# KiCad board Omega-D.kicad_pcb (continued)
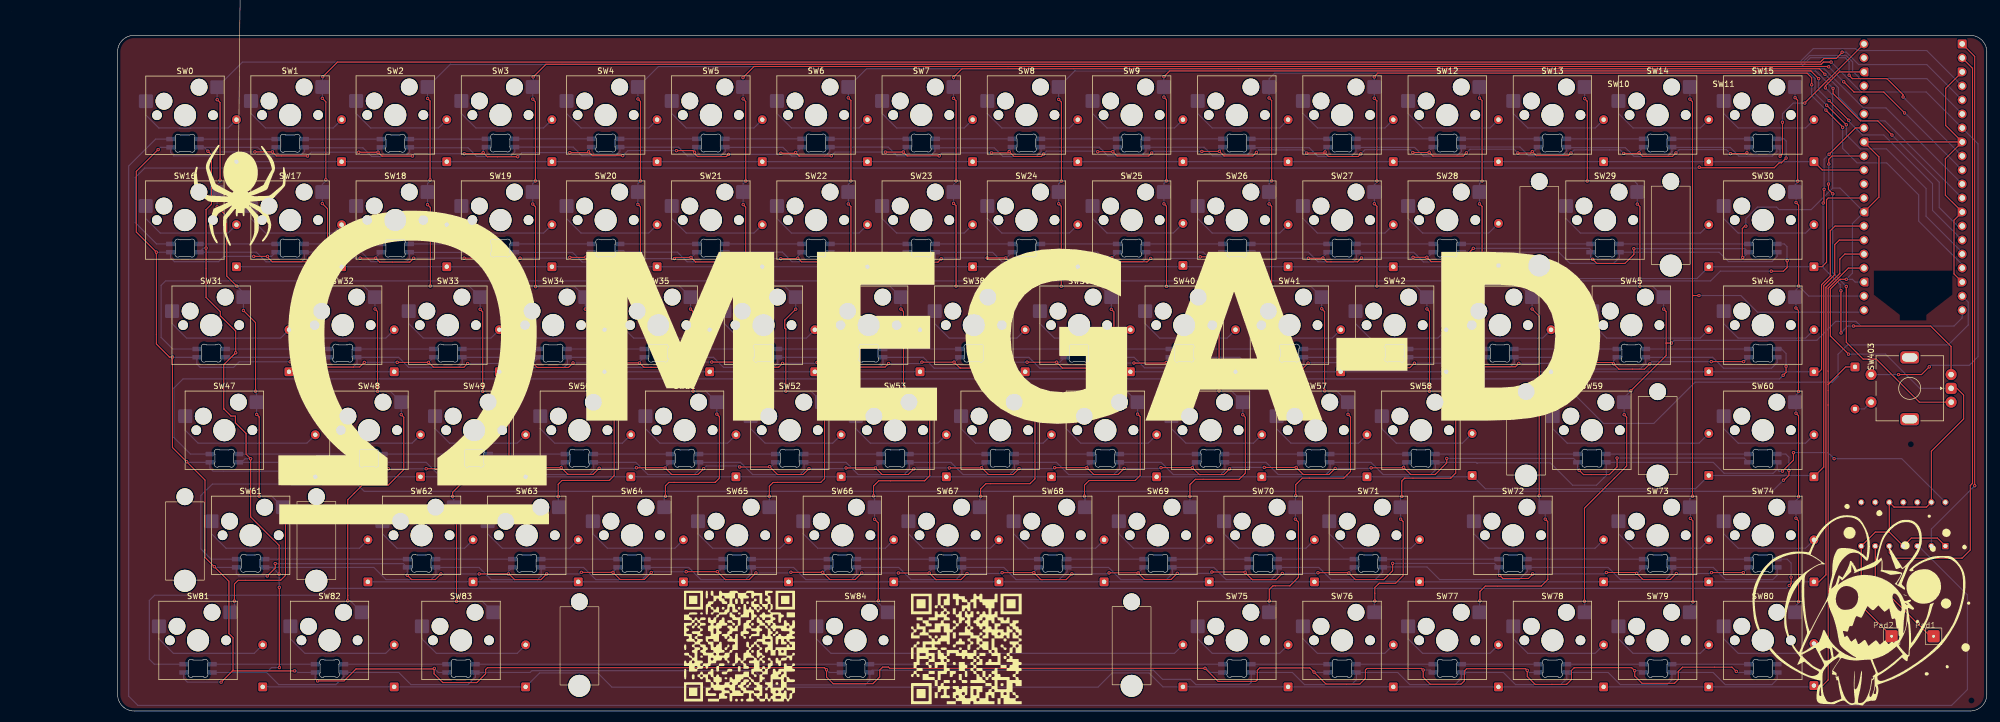
[diagram p0: board, top side]
## Routing (per net, layer and track width the routed paths; a pad name or vN(x,y) marks a point on that pad's centre or on a via; arc(x,y) is an arc through that point) (continued)
1Y: length 470.5
  Bottom w0.2: U1.3 345.42,29.9 354.27,21.05 354.27,3.87 351.41,1.01 22.97,1.01 21.3,2.68 21.3,98.81 26.18,103.69 LED1.3
2Y: length 21.1
  Top w0.2: U1.6 337.59,23.51 347.55,13.55 Pad1.1
Column0: length 432.9
  Top w0.2: v1(49.22,34.76) 49.69,34.28 49.69,24.57 48.82,23.7 41.13,23.7 40.45,23.02 v1(40.45,19.92) ; v1(40.89,77.03) 39.07,78.85 39.07,89.67 v1(37.32,91.42) ; v1(42.08,72.61) 44.28,70.41 v1(44.28,57.98) ; v1(37.85,96.25) 37.85,110.32 v1(37.33,110.84) ; v1(44.49,53.77) 44.94,53.32 v1(44.94,38.94)
  Bottom w0.2: v1(44.94,38.94) 47.23,38.94 SW61.2 49.23,34.77 v1(49.22,34.76) ; v1(40.89,77.03) 42.08,75.83 SW31.2 42.08,72.61 v1(42.08,72.61) ; v1(44.28,57.98) 44.28,57.72 44.46,57.53 SW47.2 44.46,53.79 v1(44.49,53.77) ; v1(37.32,91.42) 37.32,91.42 SW16.2 37.32,95.4 37.85,95.93 v1(37.85,96.25) ; A2.4 346.91,119.75 334.37,119.75 334.02,120.1 326.36,120.1 323.92,117.65 164.75,117.65 164.75,117.65 89.8,117.65 89.8,117.65 61.05,117.65 61.05,117.65 41.89,117.65 SW0.2 ; v1(37.33,110.84) 37.32,110.84 37.32,113.14 37.32,112.7 ; v1(40.45,19.92) 40.45,18.63 SW81.2
Column1: length 419.6
  Top w0.2: v1(56.38,92) 57.31,91.07 v1(57.31,77.1) ; v1(60.98,19.97) 60.98,38.31 63.63,40.96 68.31,40.96 71.12,43.77 71.12,53.26 v1(70.66,53.73) ; v1(65.91,72.89) 66.37,72.43 v1(66.37,57.96) ; v1(56.45,115) 59.1,117.65 327.63,117.65 328.28,118.3 330.5,118.3 331.6,119.4 v1(331.6,119.45) ; v1(56.38,111.09) 57.01,110.46 v1(57.01,96.32)
  Bottom w0.2: v1(65.91,72.89) 65.9,72.9 SW32.2 63.84,77.1 v1(57.31,77.1) ; A2.5 346.92,117.2 334.6,117.2 332.35,119.45 v1(331.6,119.45) ; v1(70.66,53.73) 70.66,53.73 SW48.2 68.69,57.96 v1(66.37,57.96) ; v1(56.38,111.09) 56.37,111.09 SW1.2 56.45,113.22 v1(56.45,115) ; v1(56.38,92) 56.37,92 SW17.2 56.37,95.48 57.01,96.12 v1(57.01,96.32) ; v1(60.98,19.97) 61.44,19.97 SW82.2
Column2: length 406.2
  Top w0.2: v1(80.67,19.86) 80.67,34.25 v1(80.19,34.73) ; v1(89.71,53.78) 90.17,53.31 90.17,44.48 87.11,41.42 86.97,41.56 81.88,41.56 79.96,39.64 v1(79.96,38.92) ; v1(85.42,57.95) 85.42,72.36 v1(84.95,72.83) ; v1(75.42,91.81) 75.93,91.3 v1(75.93,77.05) ; v1(75.89,96.3) 75.89,110.6 v1(75.43,111.06)
  Bottom w0.2: v1(80.67,19.86) 85.36,19.86 SW83.2 ; A2.6 346.93,114.65 334.85,114.65 333.5,116 333.5,117.66 332.31,118.85 326.7,118.85 326.69,118.85 325.68,118.85 324.08,117.25 178.5,117.25 178.5,117.25 99.75,117.25 99.75,117.25 79.53,117.25 SW2.2 75.42,111.06 v1(75.43,111.06) ; v1(75.89,96.3) 75.89,96.1 75.42,95.63 SW18.2 75.42,91.81 v1(75.42,91.81) ; v1(84.95,72.83) 84.95,72.83 SW33.2 82.94,77.05 v1(75.93,77.05) ; v1(89.71,53.78) 89.71,53.78 SW49.2 87.75,57.95 v1(85.42,57.95) ; v1(79.96,38.92) 79.96,38.58 80.18,38.35 SW62.2 80.18,34.73 v1(80.19,34.73)
Column3: length 427.6
  Top w0.2: v1(94.48,110.94) 94.96,110.46 v1(94.96,96.1) ; v1(347.37,62.4) 345.97,61 v1(341.8,61) ; v1(94.99,76.93) 94.99,91.4 v1(94.47,91.92) ; v1(104.46,58.02) 104.46,58.02 104.46,72.41 v1(104,72.87) ; v1(94.55,114.95) 96.85,117.25 327.8,117.25 328.2,117.65 v1(329.6,117.65) ; v1(108.76,53.83) 109.22,53.36 109.22,42.68 108.34,41.8 99.78,41.8 99.08,41.1 v1(99.08,38.86)
  Bottom w0.2: v1(94.96,96.1) 94.47,95.61 SW19.2 94.47,91.92 v1(94.47,91.92) ; v1(94.99,76.93) 102.11,76.93 SW34.2 104,72.87 v1(104,72.87) ; v1(99.08,38.86) 99.08,37.09 SW63.2 ; v1(347.37,62.4) 347.65,62.67 354.62,62.67 356.21,64.26 356.21,102.83 A2.7 346.81,112.23 335.05,112.23 329.63,117.65 v1(329.6,117.65) ; v1(94.55,114.95) 94.55,113.22 SW3.2 94.47,110.94 v1(94.48,110.94) ; SW403.S1 v1(341.8,61) ; v1(108.76,53.83) 108.76,53.83 SW50.2 106.73,58.02 v1(104.46,58.02)
Column4: length 348.3
  Top w0.2: v1(113.53,110.97) 114,110.5 v1(114,96.11) ; v1(123.51,57.98) 123.51,57.98 123.51,72.42 v1(123.05,72.88) ; v1(332.86,115.27) 332.86,115.24 333.45,114.65 339.71,114.65 342.63,111.73 v1(342.63,111.32) ; v1(113.99,77.06) 113.99,91.38 v1(113.52,91.85) ; v1(118.51,38.94) 118.5,38.95 118.5,40.82 119.13,41.45 127.51,41.45 128.27,42.21 128.27,53.36 v1(127.81,53.83)
  Bottom w0.2: SW64.2 118.28,38.71 v1(118.51,38.94) ; v1(123.05,72.88) 123.05,72.88 SW35.2 121.03,77.06 v1(113.99,77.06) ; v1(127.81,53.83) 127.81,53.83 SW51.2 125.82,57.98 v1(123.51,57.98) ; v1(332.86,115.27) 332.85,115.28 332.85,117.75 332.15,118.45 325.85,118.45 324.25,116.85 204.1,116.85 204.1,116.85 180.55,116.85 180.55,116.85 134.75,116.85 134.75,116.85 117.23,116.85 SW4.2 113.52,110.97 v1(113.53,110.97) ; v1(342.63,111.32) 342.98,110.97 342.99,110.97 A2.9 ; v1(114,96.11) 113.52,95.63 SW20.2 113.52,91.85 v1(113.52,91.85)
Column5: length 331.5
  Top w0.2: v1(146.86,53.84) 147.32,53.37 147.32,42.14 146.63,41.45 138.75,41.45 138.74,41.44 138,41.44 137.32,40.76 v1(137.32,38.93) ; v1(142.1,72.86) 140.11,70.87 140.11,69.45 140.31,69.25 v1(140.31,57.99) ; v1(331.88,114.08) 331.89,114.08 333.74,112.23 339.12,112.23 342.9,108.45 v1(342.9,108.43) ; v1(132.55,114.85) 134.55,116.85 329.11,116.85 v1(329.17,116.79) ; v1(132.57,110.99) 133.05,110.51 v1(133.05,96.1) ; v1(133.04,77.03) 133.04,91.36 v1(132.58,91.82)
  Bottom w0.2: v1(133.05,96.1) 132.57,95.62 SW21.2 132.57,91.82 v1(132.58,91.82) ; v1(331.88,114.08) v1(329.17,116.79) ; v1(133.04,77.03) 140.11,77.03 SW36.2 142.1,72.86 v1(142.1,72.86) ; v1(132.57,110.99) 132.57,110.99 SW5.2 132.55,113.16 v1(132.55,114.85) ; v1(342.9,108.43) 342.99,108.43 A2.10 ; SW65.2 137.32,36.95 v1(137.32,38.93) ; v1(140.31,57.99) 144.86,57.99 SW52.2 146.86,53.84 v1(146.86,53.84)
Column6: length 329.2
  Top w0.2: v1(161.62,58) 161.62,72.41 v1(161.15,72.88) ; v1(157.05,19.96) 157.05,34.1 v1(156.38,34.77) ; v1(165.92,53.81) 166.37,53.35 166.37,42.66 165.45,41.74 157.15,41.74 156.19,40.78 v1(156.19,38.99) ; v1(151.62,91.94) 152.09,91.47 v1(152.09,77.02) ; v1(151.62,111.17) 152.09,110.7 v1(152.09,96.11)
  Bottom w0.2: v1(156.19,38.99) 156.19,38.68 156.38,38.48 SW66.2 156.38,34.77 v1(156.38,34.77) ; SW6.2 151.62,113.24 ; SW6.2 151.62,111.17 v1(151.62,111.17) ; SW6.2 154.93,116.45 192.46,116.45 192.46,116.45 222.3,116.45 222.3,116.45 328.33,116.45 335.43,109.35 339.53,109.35 A2.11 ; v1(152.09,96.11) 152.09,95.94 151.62,95.47 SW22.2 151.62,91.94 v1(151.62,91.94) ; v1(161.62,58) 163.9,58 SW53.2 165.92,55.98 v1(165.92,53.81) ; SW84.2 157.05,19.61 v1(157.05,19.96) ; v1(152.09,77.02) 159.17,77.02 SW37.2 161.15,72.88 v1(161.15,72.88)
Column7: length 292.7
  Top w0.2: v1(180.2,72.86) 180.67,72.39 v1(180.67,57.99) ; v1(171.14,96.13) 171.14,110.62 v1(170.67,111.09) ; v1(170.68,92.04) 171.14,91.58 v1(171.14,77.04) ; v1(170.67,114.9) 172.22,116.45 327.47,116.45 v1(328.48,115.44) ; v1(184.97,53.83) 185.42,53.37 185.42,42.1 184.53,41.21 176.54,41.21 175.58,40.25 v1(175.58,38.92)
  Bottom w0.2: v1(175.58,38.92) 175.58,38.57 175.43,38.42 SW67.2 ; v1(171.14,77.04) 178.2,77.04 SW38.2 180.2,72.86 v1(180.2,72.86) ; v1(171.14,96.13) 171.14,95.9 170.67,95.43 SW23.2 170.67,92.04 v1(170.68,92.04) ; v1(180.67,57.99) 182.96,57.99 SW54.2 184.96,53.84 v1(184.97,53.83) ; v1(328.48,115.44) 330.93,112.99 330.93,111.31 335.24,107 339.34,107 A2.12 ; v1(170.67,114.9) SW7.2 170.67,111.09 v1(170.67,111.09)
Column8: length 277
  Top w0.2: v1(190.21,96.08) 190.21,110.39 v1(189.72,110.88) ; v1(199.72,58.06) 199.72,72.36 v1(199.25,72.83) ; v1(204.01,53.83) 204.47,53.36 204.47,42.69 203.57,41.79 195.24,41.79 194.39,40.94 v1(194.39,38.96) ; v1(340.62,104.43) 338.05,107 334.9,107 329.95,111.95 v1(329.95,112.89) ; v1(189.73,91.97) 190.19,91.51 v1(190.19,77.01)
  Bottom w0.2: A2.14 352.53,87.93 349.18,91.28 349.18,95.87 v1(340.62,104.43) ; v1(199.25,72.83) 199.25,72.83 SW39.2 197.28,77.01 v1(190.19,77.01) ; v1(194.39,38.96) 194.39,38.63 194.48,38.53 SW68.2 ; v1(329.95,112.89) 329.95,112.89 326.79,116.05 228.68,116.05 228.68,116.05 192.63,116.05 SW8.2 189.72,110.88 v1(189.72,110.88) ; v1(190.21,96.08) 189.72,95.59 SW24.2 189.72,91.97 v1(189.73,91.97) ; v1(199.72,58.06) 201.94,58.06 204.01,55.99 204.01,53.83 v1(204.01,53.83)
Column9: length 261
  Top w0.2: v1(213.48,38.9) 213.48,41.02 214.47,42.01 222.41,42.01 223.52,43.12 223.52,53.24 v1(223.05,53.72) ; v1(208.77,111.3) 209.24,110.83 v1(209.24,96.11) ; v1(218.76,58.02) 218.76,58.02 218.76,72.38 v1(218.3,72.84) ; v1(208.78,91.96) 209.24,91.5 v1(209.24,76.99) ; 327.35,114.83 v1(327.35,114.64) 325.94,116.05 209.82,116.05 v1(208.77,115) ; v1(332.8,107.11) 332.79,107.11 v1(329.23,110.67)
  Bottom w0.2: v1(218.3,72.84) 218.3,75.04 SW40.2 216.35,76.99 v1(209.24,76.99) ; v1(327.35,114.64) 327.35,112.55 v1(329.23,110.67) ; v1(218.76,58.02) 221.03,58.02 SW56.2 223.06,53.73 v1(223.05,53.72) ; v1(208.77,115) SW9.2 208.77,111.3 v1(208.77,111.3) ; v1(213.48,38.9) 213.48,36.99 SW69.2 ; v1(208.78,91.96) 208.77,91.96 SW25.2 208.77,95.64 v1(209.24,96.11) ; v1(332.8,107.11) 332.8,106.9 335.26,104.44 339.13,104.44 347.96,95.61 347.96,90.76 A2.15
Column10: length 266.8
  Top w0.2: v1(227.83,91.95) 228.29,91.49 v1(228.29,76.99) ; v1(237.36,72.93) 237.88,72.41 v1(237.88,58.03) ; v1(232.58,34.79) 233.14,34.23 233.14,24.24 231.59,22.69 228.53,22.69 227.86,22.02 v1(227.86,19.94) ; v1(328.79,109.84) 332.35,106.28 v1(332.36,106.28) ; v1(242.11,53.78) 242.57,53.31 242.57,43.43 241.36,42.22 233.83,42.22 232.65,41.04 v1(232.65,39.04) ; v1(227.82,111.15) 228.29,110.68 v1(228.29,96.11)
  Bottom w0.2: v1(227.83,91.95) 227.82,91.95 SW26.2 227.82,95.64 v1(228.29,96.11) ; SW10.2 227.82,111.15 v1(227.82,111.15) ; SW10.2 227.85,113.14 ; SW10.2 227.82,114.62 228.85,115.65 325.72,115.65 326.68,114.69 326.68,111.95 v1(328.79,109.84) ; v1(332.36,106.28) 332.36,104.46 334.9,101.92 339.61,101.92 346.79,94.74 346.79,89.7 353.33,83.16 A2.16 ; v1(232.58,34.79) 232.58,36.93 SW70.2 232.58,38.65 232.65,38.72 v1(232.65,39.04) ; v1(227.86,19.94) 227.82,19.9 SW75.2 ; v1(228.29,76.99) 235.4,76.99 SW41.2 237.35,72.94 v1(237.36,72.93) ; v1(237.88,58.03) 240.07,58.03 SW57.2 242.11,53.78 v1(242.11,53.78)
Column11: length 251
  Top w0.2: v1(261.16,53.72) 261.62,53.25 261.62,43.13 260.7,42.21 252.36,42.21 251.85,41.7 251.85,38.91 v1(251.86,38.9) ; v1(246.88,91.97) 247.35,91.5 v1(247.35,77.05) ; v1(251.64,34.79) 252.1,34.33 252.1,24.53 250.73,23.16 247.74,23.16 246.97,22.39 246.97,19.94 v1(246.98,19.93) ; v1(247.34,96.1) 247.34,110.64 v1(246.87,111.11) ; v1(246.87,114.95) 246.87,115.02 247.5,115.65 325.24,115.65 326.08,114.81 v1(326.08,113.53) ; v1(331.69,105.81) 331.69,105.91 v1(328.65,108.95) ; v1(256.4,72.9) 256.87,72.43 v1(256.87,57.97)
  Bottom w0.2: v1(256.87,57.97) 259.18,57.97 SW58.2 261.16,53.72 v1(261.16,53.72) ; v1(331.69,105.81) 331.69,102 334.31,99.38 339.65,99.38 345.46,93.57 345.46,88.82 353.33,80.95 A2.17 ; v1(328.65,108.95) 328.65,108.99 326.08,111.56 v1(326.08,113.53) ; v1(246.98,19.93) 246.87,19.82 SW76.2 ; v1(247.34,96.1) 247.34,95.86 246.87,95.39 SW27.2 246.87,91.97 v1(246.88,91.97) ; v1(247.35,77.05) 254.39,77.05 SW42.2 256.4,72.9 v1(256.4,72.9) ; v1(246.87,111.11) 246.87,111.11 SW11.2 v1(246.87,114.95) ; v1(251.86,38.9) 251.63,38.67 SW71.2 251.63,34.79 v1(251.64,34.79)
Column12: length 211.4
  Top w0.2: v1(266,19.97) 266,21.68 266.96,22.64 277.09,22.64 278.29,23.84 278.29,34.32 v1(277.83,34.79) ; 276.73,57.54 v1(276.73,39.02) ; 276.73,57.54 276.76,57.57 v1(277.9,57.57) ; 276.73,57.54 276.73,71.61 v1(275.45,72.89) ; v1(266.39,76.99) 266.39,91.48 v1(265.92,91.95) ; v1(265.92,111.13) 266.39,110.66 v1(266.39,96.09)
  Bottom w0.2: v1(275.45,72.89) 275.45,72.89 SW44.2 273.5,76.99 v1(266.39,76.99) ; v1(277.83,34.79) 277.83,34.79 SW72.2 276.73,38.04 v1(276.73,39.02) ; v1(265.92,111.13) 265.92,111.13 SW12.2 ; v1(265.92,91.95) 265.92,91.95 SW28.2 265.92,95.62 v1(266.39,96.09) ; v1(277.9,57.57) 282.94,57.57 288.37,52.13 297.49,52.13 304.97,59.62 329.82,59.62 330.85,60.65 330.85,64.67 332.56,66.38 350.82,66.38 354.43,69.99 354.43,74.13 A2.19 ; SW77.2 265.92,19.6 266,19.68 v1(266,19.97)
Column13: length 171.8
  Top w0.2: v1(285.45,96.09) 285.45,110.55 v1(284.97,111.03) ; v1(294.97,77.01) 294.97,91.44 v1(294.5,91.91) ; v1(293.34,58.06) 299.72,64.44 299.72,66.71 ; v1(284.93,19.9) 284.93,36.77 292.58,44.42 292.58,53.27 v1(292.12,53.73) ; 299.72,66.71 299.72,72.42 v1(299.27,72.88) ; 299.72,66.71 v1(300.69,66.71)
  Bottom w0.2: SW13.2 284.97,111.03 v1(284.97,111.03) ; v1(285.45,96.09) 293.94,96.09 294.5,95.53 SW29.2 294.5,91.91 v1(294.5,91.91) ; v1(292.12,53.73) 292.11,53.73 SW59.2 292.11,56.83 v1(293.34,58.06) ; v1(294.97,77.01) 297.29,77.01 SW45.2 299.26,72.89 v1(299.27,72.88) ; v1(300.69,66.71) 301.19,67.21 327.01,67.21 330.45,70.65 334.1,70.65 334.95,69.8 351.85,69.8 353.33,71.28 A2.20 ; v1(284.93,19.9) 284.93,19.62 284.97,19.57 SW78.2
Column14: length 128.3
  Top w0.2: 304.5,75.34 304.51,75.33 v1(305.67,75.33) ; 304.5,75.34 304.5,110.47 v1(304.02,110.95) ; 304.5,75.34 v1(304.5,38.95) ; v1(304.1,34.92) 304.57,34.45 v1(304.57,19.78)
  Bottom w0.2: 304.11,17.8 304.11,19.09 304.57,19.56 ; SW73.2 304.02,38.47 v1(304.5,38.95) ; v1(305.67,75.33) 313.24,75.33 316.26,72.31 335.17,72.31 A2.21 ; 304.11,36.85 304.11,34.92 ; v1(304.02,110.95) 304.02,110.95 SW14.2
Column15: length 108.9
  Top w0.2: v1(323.72,77.05) 323.72,91.72 v1(323.25,92.19) ; v1(323.54,96.07) 323.54,110.74 v1(323.07,111.21) ; v1(323.7,19.81) 323.7,34.48 v1(323.23,34.95) ; v1(323.7,38.85) 323.7,53.52 v1(323.23,53.99) ; v1(323.69,57.93) 323.69,72.6 v1(323.22,73.07)
  Bottom w0.2: v1(323.72,77.05) 325.54,75.23 A2.22 ; 323.23,17.83 323.23,19.12 323.7,19.59 ; 323.69,57.71 323.22,57.24 323.22,55.95 ; 323.23,36.87 323.23,38.16 323.7,38.63 ; v1(323.54,96.07) 323.54,95.85 323.07,95.38 SW30.2 ; 323.23,36.88 323.23,34.95 ; SW15.2 323.07,111.21 v1(323.07,111.21) ; 323.22,75 323.22,73.07 ; 323.25,94.12 323.25,92.19 ; 323.23,55.92 323.23,53.99 ; 323.25,75.07 323.25,76.36 323.72,76.83
Encoder_A: length 64.7
  Top w0.2: v1(332.34,76.98) 332.34,66.87 335.41,63.8 337.77,63.8 345.57,56 SW403.A ; v1(329.91,93.76) 329.12,94.55 v1(329.12,95.55) ; A2.32 329.77,100.63 329.17,100.03 329.17,99.18 v1(329.18,99.17)
  Bottom w0.2: v1(329.12,95.55) 329.18,95.61 v1(329.18,99.17) ; v1(329.91,93.76) 329.88,93.73 329.88,79.44 v1(332.34,76.98)
Encoder_B: length 69.6
  Top w0.2: v1(328.33,94.58) 328.3,94.55 328.3,92.23 v1(328.17,92.1) ; v1(333.65,69.8) 347.62,69.8 351.33,66.09 SW403.B ; A2.34 334,105.71 v1(329.23,100.93) ; v1(331.38,76.19) 331.38,68.55 v1(331.39,68.54)
  Bottom w0.2: v1(333.65,69.8) 332.6,69.8 331.39,68.59 v1(331.39,68.54) ; v1(331.38,76.19) 331.25,76.32 331.25,77.3 328.15,80.4 328.15,92.08 v1(328.17,92.1) ; v1(328.33,94.58) 328.33,100.04 v1(329.23,100.93)
GPIO0: length 95.3
  Top w0.2: A2.1 355.6,118.68 355.6,40.85 v1(355.61,40.84)
  Bottom w0.2: U1.2 347.75,32.98 v1(355.61,40.84)
GPIO01: length 107.1
  Top w0.2: U1.5 340.13,28.67 341.1,27.7 353.3,27.7 354.8,29.2 354.8,40.88 355.2,41.28 355.2,116.54 A2.2
Row0: length 295.4
  Top w0.2: D43.1 327.99,98.09 A2.31
  Bottom w0.2: D43.1 D4.1 D3.1 D2.1 D1.1
Row1: length 308.5
  Top w0.2: D30.1 327.95,80.55 328.77,81.37 328.77,92.71 329.07,93.01 A2.29
  Bottom w0.2: D16.1 269.11,80.55 D28.1 271.73,78.41 305.3,78.41 D29.1 D30.1
Row2: length 309.9
  Top w0.2: A2.27 330.31,87.93 329.44,87.06 329.44,78.87 327.86,77.29 327.86,61.94 327.42,61.5 D46.1
  Bottom w0.2: D31.1 D46.1
Row3: length 322.9
  Top w0.2: A2.26 331.08,85.39 330.26,84.57 330.26,79.11 328.26,77.11 328.26,44.23 D60.1
  Bottom w0.2: D47.1 264.35,42.46 D58.1 266.99,40.3 305.04,40.3 D59.1 326.25,42.7 D60.1
Row4: length 327.6
  Top w0.2: D75.1 327.39,23.41 328.66,24.68 328.66,76.83 331.18,79.35 331.18,81.95 332.08,82.85 A2.25
  Bottom w0.2: D61.1 D75.1
Row5: length 373.5
  Top w0.2: D81.1 328.05,4.61 329.06,5.62 329.06,59.2 ; A2.24 332.71,80.31 329.06,76.66 329.06,59.2 ; D70.1 332.25,62.38 329.06,59.2
  Bottom w0.2: D82.1 D84.1 95.72,6.9 106.24,6.9 108.82,4.32 196.83,4.32 199.41,6.9 206.08,6.9 208.61,4.37 D85.1 326.25,4.37 D81.1
Net-(D1-A): length 20.6
  Bottom w0.2: D1.2 39.31,105.71 32.52,105.71 32.48,105.67 30.53,105.67 30.49,105.71 26.76,105.71 24.39,108.07 24.39,110.6
Net-(D2-A): length 20.4
  Bottom w0.2: SW1.1 43.44,108.33 46.07,105.71 58.36,105.71 D2.2
Net-(D3-A): length 20.4
  Bottom w0.2: SW2.1 62.49,108.33 65.12,105.71 77.4,105.71 D3.2
Net-(D4-A): length 20.4
  Bottom w0.2: SW3.1 81.54,108.33 84.17,105.71 96.44,105.71 D4.2
Net-(D5-A): length 20.4
  Bottom w0.2: SW4.1 100.59,108.33 103.22,105.71 115.49,105.71 D5.2
Net-(D6-A): length 20.4
  Bottom w0.2: SW5.1 119.64,108.33 122.27,105.71 134.53,105.71 D6.2
Net-(D7-A): length 20.4
  Bottom w0.2: SW6.1 138.69,108.33 141.32,105.71 153.58,105.71 D7.2
Net-(D8-A): length 20.4
  Bottom w0.2: SW7.1 157.74,108.33 160.37,105.71 172.62,105.71 D8.2
Net-(D9-A): length 20.4
  Bottom w0.2: D9.2 191.67,105.71 179.42,105.71 176.79,108.33 SW8.1
Net-(D10-A): length 20.4
  Bottom w0.2: SW9.1 195.84,108.33 198.47,105.71 210.71,105.71 D10.2
Net-(D11-A): length 20.3
  Bottom w0.2: D11.2 229.76,105.71 217.52,105.71 214.89,108.33 SW10.1
Net-(D12-A): length 20.3
  Bottom w0.2: D12.2 248.8,105.71 236.57,105.71 233.94,108.33 SW11.1
Net-(D13-A): length 20.3
  Bottom w0.2: D13.2 267.85,105.71 255.62,105.71 252.99,108.33 SW12.1
Net-(D14-A): length 20.3
  Bottom w0.2: D14.2 286.89,105.71 274.67,105.71 272.04,108.33 SW13.1
Net-(D15-A): length 20.3
  Bottom w0.2: D15.2 305.94,105.71 293.72,105.71 291.09,108.33 SW14.1
Net-(D16-A): length 20.4
  Bottom w0.2: SW16.1 24.39,89.28 27.02,86.66 39.31,86.66 D16.2
Net-(D17-A): length 20.4
  Bottom w0.2: D17.2 58.35,86.66 46.07,86.66 43.44,89.28 SW17.1
Net-(D18-A): length 20.4
  Bottom w0.2: SW18.1 62.49,89.28 65.12,86.66 77.39,86.66 D18.2
Net-(D19-A): length 20.4
  Bottom w0.2: D19.2 96.44,86.66 84.17,86.66 81.54,89.28 SW19.1
Net-(D20-A): length 20.4
  Bottom w0.2: SW20.1 100.59,89.28 103.22,86.66 115.48,86.66 D20.2
Net-(D21-A): length 20.4
  Bottom w0.2: SW21.1 119.64,89.28 122.27,86.66 134.53,86.66 D21.2
Net-(D22-A): length 20.4
  Bottom w0.2: SW22.1 138.69,89.28 141.32,86.66 153.57,86.66 D22.2
Net-(D23-A): length 20.4
  Bottom w0.2: SW23.1 157.74,89.28 160.37,86.66 172.62,86.66 D23.2
Net-(D24-A): length 20.4
  Bottom w0.2: SW24.1 176.79,89.28 179.42,86.66 191.66,86.66 D24.2
Net-(D25-A): length 20.5
  Bottom w0.2: D25.2 210.47,86.66 198.47,86.66 195.84,89.28 SW25.1
Net-(D26-A): length 20.3
  Bottom w0.2: D26.2 229.75,86.66 217.52,86.66 214.89,89.28 SW26.1
Net-(D27-A): length 20.3
  Bottom w0.2: D27.2 248.8,86.66 236.57,86.66 233.94,89.28 SW27.1
Net-(D28-A): length 20.4
  Bottom w0.2: D28.2 267.6,86.66 255.62,86.66 252.99,89.28 SW28.1
Net-(D29-A): length 29.9
  Bottom w0.2: SW29.1 281.57,89.28 284.19,86.66 305.93,86.66 D29.2
Net-(D30-A): length 20.3
  Bottom w0.2: D30.2 324.98,86.66 312.77,86.66 310.14,89.28 SW30.1
Net-(D31-A): length 25.2
  Bottom w0.2: SW31.1 29.16,70.23 31.78,67.61 48.82,67.61 D31.2
Net-(D32-A): length 20.4
  Bottom w0.2: SW32.1 52.97,70.23 55.59,67.61 67.87,67.61 D32.2
Net-(D33-A): length 20.4
  Bottom w0.2: D33.2 86.91,67.61 74.64,67.61 72.02,70.23 SW33.1
Net-(D34-A): length 20.4
  Bottom w0.2: SW34.1 91.07,70.23 93.69,67.61 105.96,67.61 D34.2
Net-(D35-A): length 20.4
  Bottom w0.2: SW35.1 110.12,70.23 112.74,67.61 125,67.61 D35.2
Net-(D36-A): length 20.4
  Bottom w0.2: SW36.1 129.17,70.23 131.79,67.61 144.05,67.61 D36.2
Net-(D37-A): length 20.4
  Bottom w0.2: SW37.1 148.22,70.23 150.84,67.61 163.09,67.61 D37.2
Net-(D38-A): length 20.4
  Bottom w0.2: D38.2 182.14,67.61 169.89,67.61 167.27,70.23 SW38.1
Net-(D39-A): length 20.4
  Bottom w0.2: D39.2 201.18,67.61 188.94,67.61 186.32,70.23 SW39.1
Net-(D40-A): length 20.4
  Bottom w0.2: SW40.1 205.37,70.23 207.99,67.61 220.23,67.61 D40.2
Net-(D41-A): length 20.3
  Bottom w0.2: D41.2 239.27,67.61 227.04,67.61 224.42,70.23 SW41.1
Net-(D42-A): length 20.4
  Bottom w0.2: D42.2 258.38,67.61 246.09,67.61 243.47,70.23 SW42.1
Net-(D43-A): length 20.3
  Bottom w0.2: SW15.1 310.14,108.33 312.77,105.71 324.98,105.71 D43.2
Net-(D44-A): length 20.3
  Bottom w0.2: D44.2 277.36,67.61 265.14,67.61 262.52,70.23 SW44.1
Net-(D45-A): length 25.1
  Bottom w0.2: D45.2 305.91,67.61 288.95,67.61 286.33,70.23 SW45.1
Net-(D46-A): length 20.3
  Bottom w0.2: D46.2 324.97,67.61 312.77,67.61 310.14,70.23 SW46.1
Net-(D47-A): length 27.7
  Bottom w0.2: D47.2 53.58,48.56 33.88,48.56 31.54,50.9 SW47.1
Net-(D48-A): length 20.4
  Bottom w0.2: D48.2 72.62,48.56 60.35,48.56 57.73,51.18 SW48.1
Net-(D49-A): length 20.4
  Bottom w0.2: SW49.1 76.78,51.18 79.4,48.56 91.67,48.56 D49.2
Net-(D50-A): length 20.4
  Bottom w0.2: SW50.1 95.83,51.18 98.45,48.56 110.71,48.56 D50.2
Net-(D51-A): length 20.4
  Bottom w0.2: SW51.1 114.88,51.18 117.5,48.56 129.76,48.56 D51.2
Net-(D52-A): length 20.4
  Bottom w0.2: D52.2 148.8,48.56 136.55,48.56 133.93,51.18 SW52.1
Net-(D53-A): length 20.4
  Bottom w0.2: SW53.1 152.98,51.18 155.6,48.56 167.85,48.56 D53.2
Net-(D54-A): length 20.4
  Bottom w0.2: SW54.1 172.03,51.18 174.65,48.56 186.89,48.56 D54.2
Net-(D55-A): length 20.4
  Bottom w0.2: D55.2 205.94,48.56 193.7,48.56 191.08,51.18 SW55.1
Net-(D56-A): length 20.4
  Bottom w0.2: SW56.1 210.13,51.18 212.75,48.56 224.98,48.56 D56.2
Net-(D57-A): length 20.4
  Bottom w0.2: SW57.1 229.18,51.15 231.78,48.56 244.03,48.56 D57.2
Net-(D58-A): length 20.4
  Bottom w0.2: D58.2 262.83,48.56 250.85,48.56 248.23,51.18 SW58.1
Net-(D59-A): length 32.3
  Bottom w0.2: D59.2 305.68,48.56 281.81,48.56 279.19,51.18 SW59.1
Net-(D60-A): length 20.3
  Bottom w0.2: SW60.1 310.14,51.18 312.77,48.56 324.97,48.56 D60.2
Net-(D61-A): length 32.3
  Bottom w0.2: SW61.1 36.3,32.13 38.92,29.51 63.1,29.51 D61.2
Net-(D62-A): length 20.4
  Bottom w0.2: SW62.1 67.26,32.13 69.88,29.51 82.14,29.51 D62.2
Net-(D63-A): length 20.4
  Bottom w0.2: SW63.1 86.31,32.13 88.93,29.51 101.19,29.51 D63.2
Net-(D64-A): length 20.4
  Bottom w0.2: D64.2 120.23,29.51 107.98,29.51 105.36,32.13 SW64.1
Net-(D65-A): length 20.4
  Bottom w0.2: SW65.1 124.41,32.13 127.03,29.51 139.27,29.51 D65.2
Net-(D66-A): length 20.4
  Bottom w0.2: D66.2 158.32,29.51 146.08,29.51 143.46,32.13 SW66.1
Net-(D67-A): length 20.4
  Bottom w0.2: D67.2 177.36,29.51 165.13,29.51 162.51,32.13 SW67.1
Net-(D68-A): length 20.4
  Bottom w0.2: D68.2 196.41,29.51 184.18,29.51 181.56,32.13 SW68.1
Net-(D69-A): length 20.4
  Bottom w0.2: 200.61,34.4 200.61,32.13 203.23,29.51 215.45,29.51 D69.2
Net-(D70-A): length 3.4
  Bottom w0.2: SW403.S2 335.59,54.76 D70.2
Net-(D71-A): length 20.4
  Bottom w0.2: SW70.1 219.66,32.13 222.28,29.51 234.5,29.51 D71.2
Net-(D72-A): length 20.4
  Bottom w0.2: D72.2 255.06,31.06 253.51,29.51 241.33,29.51 238.71,32.13 238.71,34.4
Net-(D73-A): length 27.5
  Bottom w0.2: D73.2 286.87,29.51 267.52,29.51 264.9,32.13 SW72.1
Net-(D74-A): length 20.3
  Bottom w0.2: D74.2 305.92,29.51 293.72,29.51 291.09,32.13 SW73.1
Net-(D75-A): length 20.3
  Bottom w0.2: D75.2 324.96,29.51 312.77,29.51 310.14,32.13 SW74.1
Net-(D76-A): length 20.4
  Bottom w0.2: SW75.1 214.89,13.08 217.52,10.46 229.73,10.46 D76.2
Net-(D77-A): length 20.4
  Bottom w0.2: D77.2 248.78,10.46 236.57,10.46 233.94,13.08 SW76.1
Net-(D78-A): length 20.3
  Bottom w0.2: SW77.1 252.99,13.08 255.62,10.46 267.82,10.46 D78.2
Net-(D79-A): length 20.3
  Bottom w0.2: D79.2 286.87,10.46 274.67,10.46 272.04,13.08 SW78.1
Net-(D80-A): length 20.3
  Bottom w0.2: SW79.1 291.09,13.08 293.72,10.46 305.91,10.46 D80.2
Net-(D81-A): length 20.4
  Bottom w0.2: SW80.1 310.14,13.08 312.77,10.46 324.72,10.46 D81.2
Net-(D82-A): length 22.8
  Bottom w0.2: D82.2 44.05,10.46 29.4,10.46 26.78,13.08 SW81.1
Net-(D83-A): length 22.8
  Bottom w0.2: SW82.1 50.59,13.08 53.21,10.46 67.85,10.46 D83.2
Net-(D84-A): length 22.8
  Bottom w0.2: D84.2 91.66,10.46 77.02,10.46 74.4,13.08 SW83.1
Net-(D85-A): length 70.4
  Bottom w0.2: SW84.1 145.84,13.08 148.46,10.46 210.69,10.46 D85.2
Net-(LED1-DOUT): length 13.8
  Bottom w0.2: LED1.2 LED2.3
Net-(LED2-DOUT): length 13.8
  Bottom w0.2: LED2.2 LED3.3
Net-(LED3-DOUT): length 13.9
  Bottom w0.2: LED4.3 85.99,103.69 LED3.2
Net-(LED4-DOUT): length 13.9
  Bottom w0.2: LED4.2 LED5.3
Net-(LED5-DOUT): length 13.8
  Bottom w0.2: LED5.2 LED6.3
Net-(LED6-DOUT): length 13.8
  Bottom w0.2: LED6.2 LED7.3
Net-(LED7-DOUT): length 13.9
  Bottom w0.2: LED7.2 LED8.3
Net-(LED8-DOUT): length 13.8
  Bottom w0.2: LED8.2 LED9.3
Net-(LED10-DIN): length 13.8
  Bottom w0.2: LED9.2 LED10.3
Net-(LED10-DOUT): length 13.8
  Bottom w0.2: LED10.2 LED11.3
Net-(LED11-DOUT): length 13.8
  Bottom w0.2: LED11.2 LED12.3
Net-(LED12-DOUT): length 13.9
  Bottom w0.2: LED12.2 LED13.3
Net-(LED13-DOUT): length 13.9
  Bottom w0.2: LED13.2 LED14.3
Net-(LED14-DOUT): length 13.8
  Bottom w0.2: LED14.2 LED15.3
Net-(LED15-DOUT): length 13.8
  Bottom w0.2: LED15.2 LED16.3
Net-(LED16-DOUT): length 321.6
  Top w0.2: v1(321.46,100.26) 320.59,99.39 320.19,99.39 319.29,98.49 305.82,98.49 v1(305.72,98.6)
  Bottom w0.2: LED16.2 321.07,103.73 321.47,103.33 321.47,100.27 v1(321.46,100.26) ; v1(305.72,98.6) 305.56,98.44 24.21,98.44 22.5,96.73 22.5,88.54 26.36,84.68 LED17.3
Net-(LED17-DOUT): length 13.9
  Bottom w0.2: LED17.2 LED18.3
Net-(LED18-DOUT): length 13.8
  Bottom w0.2: LED18.2 LED19.3
Net-(LED19-DOUT): length 13.8
  Bottom w0.2: LED19.2 LED20.3
Net-(LED20-DOUT): length 13.9
  Bottom w0.2: LED20.2 LED21.3
Net-(LED21-DOUT): length 13.8
  Bottom w0.2: LED21.2 LED22.3
Net-(LED22-DOUT): length 13.8
  Bottom w0.2: LED22.2 LED23.3
Net-(LED23-DOUT): length 13.9
  Bottom w0.2: LED23.2 LED24.3
Net-(LED24-DOUT): length 13.8
  Bottom w0.2: LED24.2 LED25.3
Net-(LED25-DOUT): length 13.8
  Bottom w0.2: LED25.2 LED26.3
Net-(LED26-DOUT): length 13.8
  Bottom w0.2: LED26.2 LED27.3
Net-(LED27-DOUT): length 13.8
  Bottom w0.2: LED27.2 LED28.3
Net-(LED28-DOUT): length 13.9
  Bottom w0.2: LED28.2 LED29.3
Net-(LED29-DOUT): length 23.4
  Bottom w0.2: LED29.2 LED30.3
Net-(LED30-DOUT): length 23.4
  Bottom w0.2: LED30.2 LED31.3
Net-(LED31-DOUT): length 318.3
  Top w0.2: v1(321.64,81.65) 321.64,80.41 320.98,79.75 v1(318.76,79.75)
  Bottom w0.2: v1(318.76,79.75) 309.54,79.75 307.77,77.98 27.99,77.98 27.18,77.17 27.18,67.73 29.28,65.63 LED32.3 ; LED31.2 321.12,84.68 321.61,84.19 321.61,81.68 v1(321.64,81.65)
Net-(LED32-DOUT): length 18.6
  Bottom w0.2: LED32.2 LED33.3
Net-(LED33-DOUT): length 13.9
  Bottom w0.2: LED33.2 LED34.3
Net-(LED34-DOUT): length 13.8
  Bottom w0.2: LED34.2 LED35.3
Net-(LED35-DOUT): length 13.9
  Bottom w0.2: LED35.2 LED36.3
Net-(LED36-DOUT): length 13.8
  Bottom w0.2: LED36.2 LED37.3
Net-(LED37-DOUT): length 13.8
  Bottom w0.2: LED37.2 LED38.3
Net-(LED38-DOUT): length 13.8
  Bottom w0.2: LED38.2 LED39.3
Net-(LED39-DOUT): length 13.8
  Bottom w0.2: LED39.2 LED40.3
Net-(LED40-DOUT): length 13.9
  Bottom w0.2: LED40.2 LED41.3
Net-(LED41-DOUT): length 13.8
  Bottom w0.2: LED41.2 LED42.3
Net-(LED42-DOUT): length 13.8
  Bottom w0.2: LED42.2 LED43.3
Net-(LED43-DOUT): length 13.8
  Bottom w0.2: LED43.2 LED44.3
Net-(LED44-DOUT): length 18.6
  Bottom w0.2: LED44.2 LED45.3
Net-(LED45-DOUT): length 18.6
  Bottom w0.2: 296.02,65.63 LED46.3
Net-(LED46-DOUT): length 315.3
  Top w0.2: v1(320.91,60.86) 321.44,61.39 v1(321.44,62.49)
  Bottom w0.2: LED46.2 320.63,65.63 321.44,64.82 v1(321.44,62.49) ; LED47.3 32.49,46.58 29.48,49.59 29.48,58.54 31.15,60.21 277.63,60.21 277.64,60.19 320.25,60.19 v1(320.91,60.86)
Net-(LED47-DOUT): length 21
  Bottom w0.2: LED47.2 62.22,46.58
Net-(LED48-DOUT): length 13.9
  Bottom w0.2: LED48.2 LED49.3
Net-(LED49-DOUT): length 13.9
  Bottom w0.2: LED49.2 LED50.3
Net-(LED50-DOUT): length 13.8
  Bottom w0.2: LED50.2 LED51.3
Net-(LED51-DOUT): length 13.9
  Bottom w0.2: LED51.2 LED52.3
Net-(LED52-DOUT): length 13.8
  Bottom w0.2: LED52.2 LED53.3
Net-(LED53-DOUT): length 13.8
  Bottom w0.2: 162.67,46.58 LED54.3
Net-(LED54-DOUT): length 13.8
  Bottom w0.2: LED54.2 LED55.3
Net-(LED55-DOUT): length 13.8
  Bottom w0.2: LED55.2 LED56.3
Net-(LED56-DOUT): length 13.9
  Bottom w0.2: LED56.2 233.67,46.58
Net-(LED57-DOUT): length 13.9
  Bottom w0.2: LED57.2 LED58.3
Net-(LED58-DOUT): length 25.8
  Bottom w0.2: LED58.2 LED59.3
Net-(LED59-DOUT): length 25.8
  Bottom w0.2: LED59.2 LED60.3
Net-(LED60-DOUT): length 312.7
  Top w0.2: v1(320.96,41.85) 321.07,41.85 321.95,42.73 v1(321.95,43.62)
  Bottom w0.2: v1(320.96,41.85) 318.94,39.83 63.96,39.83 62.64,41.14 36.46,41.14 34.38,39.07 34.38,29.38 36.23,27.53 LED61.3 ; LED60.2 321.39,46.58 321.95,46.02 v1(321.95,43.62)
Net-(LED61-DOUT): length 25.8
  Bottom w0.2: LED61.2 LED62.3
Net-(LED62-DOUT): length 13.8
  Bottom w0.2: LED62.2 LED63.3
Net-(LED63-DOUT): length 13.8
  Bottom w0.2: LED63.2 LED64.3
Net-(LED64-DOUT): length 13.8
  Bottom w0.2: LED64.2 LED65.3
Net-(LED65-DOUT): length 13.8
  Bottom w0.2: LED65.2 LED66.3
Net-(LED66-DOUT): length 13.8
  Bottom w0.2: LED66.2 LED67.3
Net-(LED67-DOUT): length 13.9
  Bottom w0.2: LED67.2 LED68.3
Net-(LED68-DOUT): length 13.8
  Bottom w0.2: LED68.2 LED69.3
Net-(LED69-DOUT): length 13.8
  Bottom w0.2: LED69.2 LED70.3
Net-(LED70-DOUT): length 13.8
  Bottom w0.2: LED70.2 LED71.3
Net-(LED71-DOUT): length 21
  Bottom w0.2: LED71.2 LED72.3
Net-(LED72-DOUT): length 21
  Bottom w0.2: LED72.2 LED73.3
Net-(LED73-DOUT): length 13.8
  Bottom w0.2: LED73.2 LED74.3
Net-(LED74-DOUT): length 322.4
  Top w0.2: v1(322.36,24.27) 322.36,23.09 v1(322.02,22.75)
  Bottom w0.2: LED75.3 25.95,8.48 25.04,9.39 25.04,20.03 26,20.99 55.99,20.99 57.23,22.23 321.5,22.23 v1(322.02,22.75) ; LED74.2 321.64,27.53 322.36,26.81 v1(322.36,24.27)
Net-(LED75-DOUT): length 18.6
  Bottom w0.2: LED75.2 LED76.3
Net-(LED76-DOUT): length 18.6
  Bottom w0.2: LED76.2 LED77.3
Net-(LED77-DOUT): length 66.2
  Bottom w0.2: LED77.2 LED78.3
Net-(LED78-DOUT): length 63.9
  Bottom w0.2: LED78.2 LED79.3
Net-(LED79-DOUT): length 13.8
  Bottom w0.2: LED79.2 LED80.3
Net-(LED80-DOUT): length 13.9
  Bottom w0.2: LED80.2 LED81.3
Net-(LED81-DOUT): length 13.9
  Bottom w0.2: LED81.2 LED82.3
Net-(LED82-DOUT): length 13.8
  Bottom w0.2: LED82.2 LED83.3
Net-(LED83-DOUT): length 13.8
  Bottom w0.2: LED83.2 LED84.3

## Copper pours and planes (outline as drawn; the poured copper is in the pictures)
(no net) on Top, Bottom: 6.05,136.2 368,136.2 368,-16.2 6.05,-16.2

## Text on the board
B.Silkscreen: Sappling
F.Silkscreen: MEGA-D
